# Allegro board reComputer Industrial J201_V1.2.brd (continued)
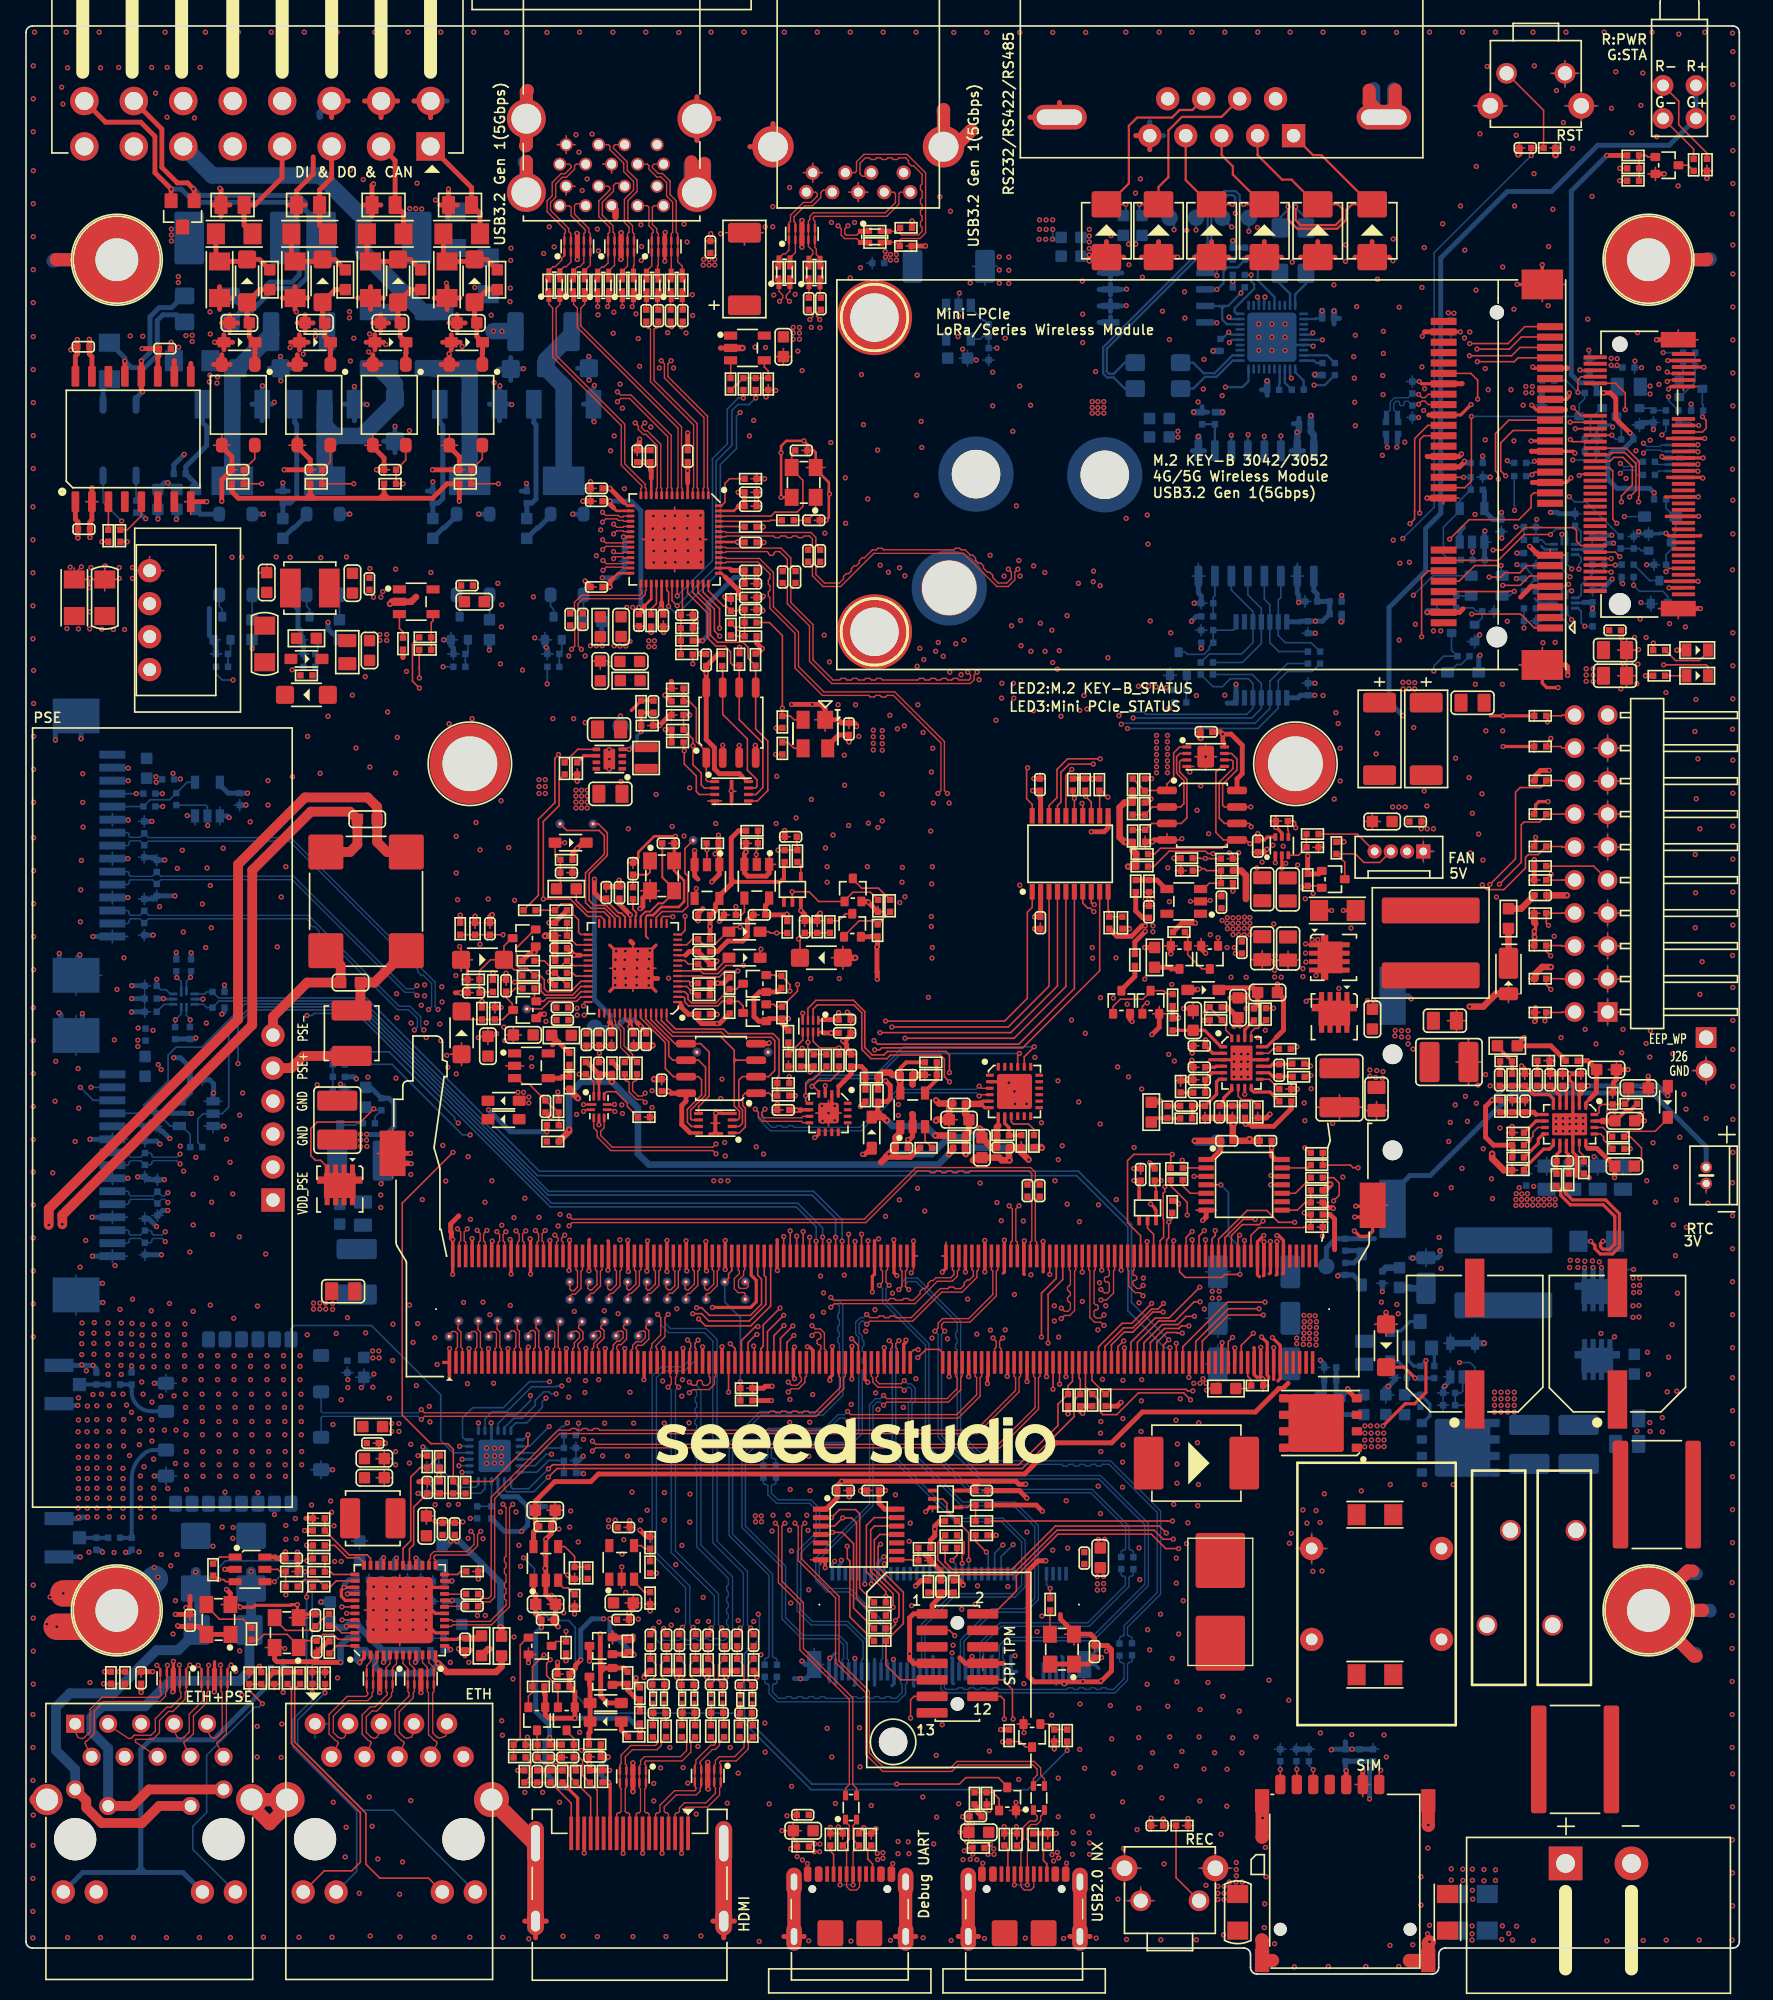
[diagram p0: board, top side]
## Routing (per net, layer and track width the routed paths; a pad name or vN(x,y) marks a point on that pad's centre or on a via; arc(x,y) is an arc through that point) (continued)
GBE_MDI1_N: length 115.2
  TOP w0.102: v1(83.05,49.94) 82.81,50.19 82.33,50.19 81.96,50.55 81.96,54.14 81.88,54.22 J9.190 ; J13.6 8.45,17.85 8.43,17.99 8.47,18.07 9.77,18.07 10.29,18.58 10.29,19.52 10.98,20.22 11.31,20.22 12.26,21.17 12.26,21.69 12.35,21.78 U61.10 U61.1 12.35,23.52 v1(12.63,23.79)
  LAY3 w0.089: v1(83.05,49.94) 82.8,50.2 82.36,50.2 82.07,49.91 82.07,31.9 77.2,27.03 77.2,23.24 76,22.04 21.97,22.04 17.76,26.26 14.38,26.26 12.98,24.86 12.98,24.68 12.77,24.47 12.59,24.47 12.37,24.25 12.37,24.05 v1(12.63,23.79)
GBE_MDI1_P: length 115.2
  TOP w0.102: v1(83.05,50.75) 82.81,50.51 82.46,50.51 82.29,50.68 82.29,51.03 82.39,51.13 82.5,51.13 82.6,51.24 82.6,51.44 82.5,51.54 82.39,51.54 82.29,51.64 82.29,54.14 82.38,54.22 J9.192 ; v1(11.81,23.79) 11.85,23.76 U61.2 U61.9 11.85,21.78 11.94,21.69 11.94,21.3 11.18,20.54 10.85,20.54 9.96,19.65 9.96,18.71 9.64,18.39 8.33,18.39 8.24,18.29 8.16,18.18 7.92,18.13 6.35,19.18 J13.3
  LAY3 w0.089: v1(83.05,50.75) 82.8,50.5 82.23,50.5 81.77,50.03 81.77,32.03 76.9,27.16 76.9,23.37 75.87,22.35 22.1,22.35 17.88,26.56 14.25,26.56 12.07,24.38 12.07,24.05 v1(11.81,23.79)
GBE_MDI2_N: length 114.4
  TOP w0.102: v1(14.08,23.77) 14.02,23.72 U60.4 U60.7 14.02,21.78 13.94,21.69 13.94,20.91 12.9,19.88 12.9,18.51 12.61,18.22 12.38,17.99 12.21,17.9 12.16,17.76 J13.8 ; v1(82.82,52.71) 83.09,52.44 83.34,52.44 83.46,52.57 83.46,53.19 83.36,53.29 83.19,53.29 83.09,53.39 83.09,53.59 83.19,53.69 83.36,53.69 83.46,53.79 83.46,54.14 83.38,54.22 J9.196
  LAY3 w0.089: v1(82.82,52.71) 83.23,52.71 83.93,52.01 83.93,28.37 76.56,21 74.25,21 72.72,19.48 71.15,19.48 69.63,21 21.3,21 16.98,25.32 14.94,25.32 14.43,24.81 14.43,24.63 14.22,24.42 14.04,24.42 13.82,24.2 13.82,24.02 v1(14.08,23.77)
GBE_MDI2_P: length 114.5
  TOP w0.102: J9.198 83.88,54.22 83.79,54.14 83.79,52.43 83.25,51.9 v1(82.82,51.9) ; v1(13.26,23.77) 13.52,23.51 U60.5 U60.6 13.52,21.78 13.61,21.69 13.61,21.04 12.58,20.01 12.58,18.64 12.19,18.26 11.93,18.13 11.67,18.21 11.3,18.95 J13.7
  LAY3 w0.089: v1(82.82,51.9) 83.07,52.15 83.35,52.15 83.62,51.89 83.62,49.96 83.49,49.83 83.49,49.52 83.62,49.4 83.62,49.09 83.49,48.97 83.49,48.66 83.62,48.53 83.62,48.23 83.49,48.1 83.49,47.8 83.62,47.67 83.62,32.08 83.49,31.95 83.49,31.64 83.62,31.52 83.62,31.21 83.49,31.08 83.49,30.78 83.62,30.65 83.62,30.22 83.49,30.09 83.49,29.79 83.62,29.66 83.62,29.36 83.49,29.23 83.49,28.93 83.62,28.8 83.62,28.49 76.43,21.31 74.12,21.31 72.6,19.78 71.28,19.78 69.75,21.31 21.43,21.31 17.11,25.62 14.81,25.62 13.52,24.33 13.52,24.02 v1(13.26,23.77)
GBE_MDI3_N: length 113.4
  TOP w0.102: v1(15.8,23.79) 15.52,23.52 U60.1 U60.10 15.52,21.78 15.44,21.69 15.44,18.5 14.92,17.99 14.75,17.9 14.7,17.76 J13.10 ; v1(86.06,52.22) 85.83,52.46 85.46,52.46 84.96,52.96 84.96,54.14 84.88,54.22 J9.202
  LAY3 w0.089: v1(86.06,52.22) 85.82,52.47 85.58,52.47 85.36,52.26 85.36,51.51 85.49,51.38 85.49,51.07 85.36,50.95 85.36,28.28 77.07,19.98 74.96,19.98 73.44,18.47 70.23,18.47 68.53,20.16 20.2,20.16 16.83,23.53 16.65,23.53 16.43,23.75 16.43,23.93 16.06,24.3 15.68,24.3 15.55,24.17 15.55,24.05 v1(15.8,23.79)
GBE_MDI3_P: length 113.2
  TOP w0.102: v1(86.06,53.02) 85.83,52.79 85.59,52.79 85.29,53.09 85.29,53.34 85.36,53.41 85.47,53.41 85.58,53.51 85.58,53.69 85.47,53.79 85.35,53.79 85.29,53.85 85.29,54.14 85.38,54.22 J9.204 ; J13.9 13.86,19 14.23,18.25 14.52,18.15 14.73,18.26 15.11,18.64 15.11,21.69 15.02,21.78 U60.9 U60.2 15.02,23.76 v1(14.99,23.79)
  LAY3 w0.089: v1(86.06,53.02) 85.82,52.78 85.45,52.78 85.06,52.38 85.06,28.41 76.94,20.29 74.83,20.29 73.31,18.77 70.36,18.77 68.66,20.47 20.32,20.47 16.18,24.61 15.55,24.61 15.24,24.3 15.24,24.05 v1(14.99,23.79)
GND_RS232/422/485: length 72.2
  TOP w0.381: D4.1 83.24,133.4 ; D4.1 81.92,132.2 ; D4.1 84.56,132.2 ; D8.1 100.84,132.2 ; D8.1 98.2,132.2 ; D8.1 99.52,133.4 ; 85.93,132.2 D5.1 ; D5.1 88.57,132.2 ; D5.1 87.25,133.4 ; 94.08,132.2 D7.1 ; D7.1 96.73,132.2 ; D7.1 95.41,133.4 ; 86.58,140.48 J1.5 85.5,141.55 ; D6.1 92.66,132.2 ; D6.1 90.02,132.2 ; D6.1 91.34,133.4 ; D9.1 103.71,133.4 ; D9.1 105.03,132.2 ; D9.1 102.39,132.2
  GND02 w0.381: 86.58,140.48 J1.5 ; J1.5 86.58,142.63 ; J1.5 85.5,141.55 ; J1.5 87.66,141.55
  LAY3 w0.381: 85.5,141.55 J1.5 ; J1.5 86.58,142.63 ; J1.5 87.66,141.55 ; J1.5 86.58,140.48
  LAY4 w0.381: J1.5 87.66,141.55 ; J1.5 86.58,140.48 ; J1.5 86.58,142.63 ; J1.5 85.5,141.55
  PWR05 w0.381: J1.5 86.58,142.63 ; J1.5 86.58,140.48 ; J1.5 85.5,141.55 ; J1.5 87.66,141.55
  BOTTOM w0.127: v1(81.92,133.37) 81.87,133.42 81.28,133.42 ; 81.28,131.97 81.85,131.97 v1(81.92,131.9)
  BOTTOM w0.178: v1(95.99,126.04) 96.59,125.44 U42.7 99.07,125.44 v1(99.17,125.34)
  BOTTOM w0.381: 90.8,117.29 U44.9 89.85,117.29 ; SW3.7 84.43,129.71 ; SW3.7 83.55,129.28 ; SW3.7 83.55,130.14 ; SW3.7 82.67,129.71 ; 101.21,127.48 C205.1 100.78,127.05 ; 91.04,120.26 R300.2 90.61,120.69 ; SW3.8 84.43,130.98 ; SW3.8 82.67,130.98 ; SW3.8 83.55,130.55 ; SW3.8 83.55,131.41 ; 95.62,121.56 C213.1 95.19,121.99 ; 98.07,119.8 C215.2 97.64,119.37 ; 82.67,128.44 SW3.6 ; SW3.6 84.43,128.44 ; SW3.6 83.55,128.87 ; SW3.6 83.55,128.01 ; J1.5 87.66,141.55 ; J1.5 85.5,141.55 ; J1.5 86.58,140.48 ; J1.5 86.58,142.63 ; 98.42,117.29 U44.15 97.47,117.29 ; 83.55,126.74 SW3.5 ; SW3.5 82.67,127.17 ; SW3.5 83.55,127.6
  BOTTOM w0.508: R300.2 v1(89.97,120.26) ; C215.2 98.07,118.84 v1(97.95,118.71) U44.15 ; C210.1 99.33,123.12 v1(99.29,123.16) ; C205.1 v1(100.78,128.05) ; U44.9 v1(90.33,118.38) ; C213.1 v1(95.62,122.66)
  vias: v1(81.39,130.35) v1(81.41,127.81) v1(81.41,125.62) v1(81.92,134.34) v1(81.92,133.83) v1(81.92,132.86) v1(81.92,132.38) v1(82.4,123.39) v1(83.6,133.85) v1(84.79,129.74) v1(84.76,128.47) v1(84.97,131.62) v1(85.47,137.13) v1(85.86,138.22) v1(86.01,130.65) v1(87.48,134.08) v1(87.56,128.04) v1(88.09,125.85) v1(88.73,132.2) v1(89.26,129.53) v1(89.28,127.5) v1(89.44,134.26) v1(90.3,121.05) v1(90.71,122.04) v1(90.76,124.33) v1(92.16,121.53) v1(93.17,135.58) v1(94.87,134.49) v1(94.97,127.05) v1(94.97,126.04) v1(94.97,125.02) v1(95.99,127.05) v1(95.99,125.02) v1(97,127.05) v1(97,126.04) v1(97,125.02) v1(97.55,131.82) v1(100.77,130.07) v1(101.68,133.14) v1(101.65,131.87) v1(102.29,124.53) v1(102.34,122.88) v1(102.37,121.03) v1(102.42,126.18) v1(102.42,119.22) v1(102.52,128.39) v1(104.12,130.5) v1(105.31,131.92) v1(105.34,133.6)
GPIO0: length 5
  TOP w0.127: U38.38 23.91,30.27 23.47,29.83 R235.1 22.51,30.35 21.45,30.35 R234.1
GPIO1: length 3.4
  TOP w0.127: R223.1 23.02,31.55 23.03,31.55 R232.1 23.47,30.97 23.67,30.77 U38.37
GPIO2: length 3.8
  TOP w0.127: U38.36 26.05,31.67 25.67,32.05 24.74,32.05 23.79,33 R221.1
GREEN_LED: length 23.1
  TOP w0.127: R252.2 D98.2 v1(5.97,22.35)
  LAY3 w0.127: J13.16 8.92,9.82 8.92,17.39 9.96,18.44 9.96,21.51 9.11,22.35 v1(5.97,22.35)
HDMI_CEC: length 47.2
  TOP w0.254: J9.94 55.88,53.8 56.26,53.41 56.26,51.76 55.83,51.33 v1(52.89,51.33)
  TOP w0.381: 44.28,23.26 44.28,21.41 44.81,20.87 D47.1 ; 44.28,23.26 44.56,23.54 44.56,23.56 ; 44.28,23.26 44.28,23.57 ; 44.28,23.85 44.25,23.87 v1(44.25,26.18) ; 44.28,23.85 44.56,23.56 ; 44.28,23.85 44.28,23.57 ; R254.2 46.05,23.56 Q20.2 44.56,23.56 ; 44.56,23.56 44.28,23.56 44.28,23.57
  LAY3 w0.381: v1(52.89,51.33) 52.89,31.97 47.58,26.66 44.73,26.66 v1(44.25,26.18)
HDMI_CEC_CON: length 8.4
  TOP w0.254: J16.13 45.01,14.63 v1(44.89,14.75)
  TOP w0.381: L23.2 44.29,17.68 C193.1 44.3,16.71 v1(44.86,16.71) ; D52.2 v1(44.89,14.75)
  BOTTOM w0.381: v1(44.89,14.75) 44.33,15.31 44.33,16.17 v1(44.86,16.71)
HDMI_CEC_Q: length 5.3
  TOP w0.381: Q20.3 43.41,22.26 43.46,22.21 D47.2 D48.2 43.46,18.64 43.36,18.54 L23.1
HDMI_DDC_SCL: length 46.4
  TOP w0.127: v1(40.39,24.2) 40.11,23.92 40.11,22.98 R256.2 40.95,21.7 40.99,21.66 Q22.2 ; J9.100 57.38,51.45 55.83,49.91 52.35,49.91 v1(51.82,50.44)
  LAY3 w0.127: v1(51.82,50.44) 50.96,49.58 49.66,49.58 48.62,48.53 48.62,40.29 44.02,35.69 44.02,27.3 41.71,24.99 41.18,24.99 v1(40.39,24.2)
HDMI_DDC_SCL_5V0: length 9.2
  TOP w0.127: J16.15 44.01,14.17 D53.2 42.88,15.3 42.88,16.44 42.64,16.68 C195.1 42.2,17.22 42.2,17.22 R269.2 42.2,18.15 41.65,18.7 Q22.3
HDMI_DDC_SDA: length 46.9
  TOP w0.127: Q21.2 38.71,21.39 39,21.69 39.02,21.69 R255.2 39.02,23.67 v1(39.91,24.56) ; v1(51.36,50.85) 52.05,50.85 52.61,50.29 55.73,50.29 57,51.56 57,53.67 56.88,53.79 J9.98
  LAY3 w0.127: v1(51.36,50.85) 50.4,49.88 49.48,49.88 48.34,48.74 48.34,40.41 43.74,35.81 43.74,27.38 41.61,25.24 40.59,25.24 v1(39.91,24.56)
HDMI_DDC_SDA_5V0: length 10.6
  TOP w0.127: Q21.3 39.37,18.14 39.42,18.1 R268.2 C194.1 39.89,16.2 41.58,16.2 41.84,15.95 41.84,15.27 D51.2 43.51,13.6 J16.16
HDMI_HPD: length 41.6
  TOP w0.127: v1(51.67,51.3) 52.06,51.3 52.65,50.72 55.81,50.72 56.67,51.58 56.67,53.51 56.38,53.81 J9.96 ; Q18.3 40.83,25.6 R242.2 v1(41.61,26.39)
  LAY3 w0.127: v1(51.67,51.3) 51.13,51.3 49.97,50.13 49.28,50.13 48.04,48.89 48.04,40.53 43.44,35.94 43.44,27.71 42.12,26.39 v1(41.61,26.39)
HDMI_HPD_CON: length 8.9
  TOP w0.127: J16.19 42.01,13.16 C197.1 C196.1 D49.2 38.77,15.12 38.78,15.12 38.89,15.23 38.89,16.28 R259.2
HDMI_TX0_N: length 28.1
  TOP w0.102: J9.75 51.13,48.16 51.21,48.25 51.21,48.57 v1(50.97,48.81) ; C172.1 50.34,26.59 50.44,26.69 v1(50.58,26.69)
  BOTTOM w0.102: v1(50.97,48.81) 51.21,48.57 51.21,47.37 50.59,46.75 48.94,46.75 48.24,46.05 48.24,32.32 50.82,29.74 50.82,26.94 v1(50.58,26.69)
HDMI_TX0_P: length 28.1
  TOP w0.102: v1(51.39,26.69) 51.49,26.69 51.59,26.59 C173.1 ; J9.77 51.63,48.16 51.54,48.25 51.54,48.57 v1(51.78,48.81)
  BOTTOM w0.102: v1(51.39,26.69) 51.14,26.94 51.14,29.88 48.57,32.45 48.57,45.92 49.08,46.43 50.73,46.43 51.54,47.24 51.54,48.57 v1(51.78,48.81)
HDMI_TX1_N: length 22.8
  TOP w0.102: C174.1 52.67,26.17 52.79,26.28 v1(52.79,26.64) ; J9.69 49.62,46.02 49.71,45.94 49.71,45.44 v1(49.47,45.19)
  BOTTOM w0.102: v1(52.79,26.64) 53.03,26.88 53.03,29.13 49.71,32.45 49.71,44.95 v1(49.47,45.19)
HDMI_TX1_P: length 22.8
  TOP w0.102: v1(53.6,26.64) 53.6,26.3 53.74,26.17 C175.1 ; J9.71 50.13,46.02 50.04,45.94 50.04,45.44 v1(50.28,45.19)
  BOTTOM w0.102: v1(53.6,26.64) 53.35,26.88 53.35,29.27 50.04,32.58 50.04,44.95 v1(50.28,45.19)
HDMI_TX2_N: length 33.4
  TOP w0.102: v1(48.66,50.79) 48.9,50.55 48.9,49.22 48.21,48.52 48.21,48.25 48.13,48.16 J9.63 ; C176.1 54.9,26.17 55.02,26.28 v1(55.02,26.64)
  BOTTOM w0.102: v1(48.66,50.79) 48.9,50.55 48.9,50 49.53,49.38 52.27,49.38 52.92,48.73 52.92,33.21 55.26,30.86 55.26,26.88 v1(55.02,26.64)
HDMI_TX2_P: length 33.3
  TOP w0.102: J9.65 48.62,48.16 48.54,48.25 48.54,48.39 49.23,49.08 49.23,50.55 v1(49.47,50.79) ; C177.1 55.97,26.17 55.83,26.3 v1(55.83,26.64)
  BOTTOM w0.102: v1(55.83,26.64) 55.59,26.88 55.59,31 53.24,33.34 53.24,48.86 52.4,49.7 49.66,49.7 49.23,50.13 49.23,50.55 v1(49.47,50.79)
HDMI_TXC_CON_LC_N: length 4.1
  TOP w0.102: L16.1 48.32,21.8 48.25,21.86 C185.2 48.25,22.71 48.55,23.01 48.55,23.82 R244.2 C170.2
HDMI_TXC_CON_LC_P: length 4.1
  TOP w0.102: L17.1 49.15,21.83 49.18,21.86 C185.1 49.18,22.71 48.88,23.01 48.88,23.82 49.33,24.27 R245.2 C171.2
HDMI_TXC_CON_N: length 10.1
  TOP w0.102: J16.12 45.51,12.31 45.61,12.41 45.74,12.41 45.84,12.51 45.84,14.28 45.76,14.36 U40.6 U40.5 45.76,16.1 45.85,16.19 45.85,16.86 46.58,17.6 48.49,17.6 48.62,17.72 48.62,17.91 R260.2
HDMI_TXC_CON_P: length 10.1
  TOP w0.102: R261.2 48.94,17.87 48.94,17.59 48.63,17.27 46.72,17.27 46.17,16.73 46.17,16.18 46.26,16.1 U40.4 U40.7 46.26,14.37 46.17,14.28 46.17,12.51 46.27,12.41 46.41,12.41 46.51,12.31 J16.10
HDMI_TXC_CON_R_N: length 1.8
  TOP w0.102: L16.2 48.32,20.54 48.33,20.53 C191.2 48.33,19.63 48.29,19.59 R260.1
HDMI_TXC_CON_R_P: length 1.8
  TOP w0.102: L17.2 49.15,20.2 C191.1 49.26,19.64 49.31,19.59 R261.1
HDMI_TXC_N: length 32.9
  TOP w0.102: C170.1 48.22,26.17 48.34,26.28 v1(48.34,26.61) ; v1(51.11,45.57) 51.36,45.33 51.6,45.33 51.7,45.43 51.7,45.61 51.8,45.71 52.01,45.71 52.11,45.61 52.11,45.43 52.21,45.33 52.5,45.33 52.71,45.54 52.71,45.94 52.63,46.02 J9.81
  BOTTOM w0.102: v1(48.34,26.61) 48.57,26.38 48.57,25.76 48.96,25.37 53.94,25.37 54.43,25.87 54.43,30.6 52,33.03 52,44.98 51.65,45.33 51.36,45.33 v1(51.11,45.57)
HDMI_TXC_P: length 32.9
  TOP w0.102: v1(51.11,44.76) 51.36,45 52.63,45 53.04,45.41 53.04,45.94 53.13,46.02 J9.83 ; C171.1 49.27,26.17 49.13,26.3 v1(49.13,26.61)
  BOTTOM w0.102: v1(51.11,44.76) 51.36,45 51.51,45 51.67,44.84 51.67,44.52 51.55,44.39 51.55,44.09 51.67,43.96 51.67,43.65 51.55,43.53 51.55,43.22 51.67,43.1 51.67,42.79 51.55,42.66 51.55,42.36 51.67,42.23 51.67,41.93 51.55,41.8 51.55,41.5 51.67,41.37 51.67,41.06 51.55,40.94 51.55,40.63 51.67,40.51 51.67,40.2 51.55,40.07 51.55,39.77 51.67,39.64 51.67,39.34 51.55,39.21 51.55,38.91 51.67,38.78 51.67,32.9 54.11,30.47 54.11,29.97 53.98,29.84 53.98,29.54 54.11,29.41 54.11,29.1 53.98,28.98 53.98,28.67 54.11,28.54 54.11,28.24 53.98,28.11 53.98,27.81 54.11,27.68 54.11,27.38 53.98,27.25 53.98,26.94 54.11,26.82 54.11,26 53.8,25.7 53.5,25.7 53.37,25.83 53.06,25.83 52.94,25.7 52.63,25.7 52.51,25.83 52.2,25.83 52.07,25.7 51.77,25.7 51.64,25.83 51.34,25.83 51.21,25.7 50.91,25.7 50.78,25.83 50.47,25.83 50.35,25.7 49.09,25.7 48.9,25.89 48.9,26.38 v1(49.13,26.61)
HDMI_TXD0_CON_LC_N: length 4.1
  TOP w0.102: L18.1 50.55,21.79 50.51,21.84 C187.2 50.51,22.7 50.81,23 50.81,23.82 50.36,24.27 R246.2 C172.2
HDMI_TXD0_CON_LC_P: length 4.1
  TOP w0.102: C173.2 R247.2 51.58,24.27 51.13,23.82 51.13,23 51.43,22.7 C187.1 51.49,22.21 L19.1
HDMI_TXD0_CON_N: length 10.9
  TOP w0.102: R262.2 50.9,17.87 50.9,17.21 50.42,16.73 47.64,16.73 47.35,16.44 47.35,16.12 47.26,16.04 U40.2 U40.9 47.26,14.36 47.34,14.27 47.34,12.51 47.24,12.41 47.11,12.41 47.01,12.31 J16.9
HDMI_TXD0_CON_P: length 10.9
  TOP w0.102: R263.2 51.22,17.91 51.22,17.08 50.56,16.41 47.77,16.41 47.67,16.31 47.67,16.14 47.76,16.05 U40.1 U40.10 47.76,14.35 47.67,14.26 47.67,12.51 47.77,12.41 47.91,12.41 48.01,12.31 J16.7
HDMI_TXD0_CON_R_N: length 1.8
  TOP w0.102: L18.2 50.55,20.59 50.58,20.56 C190.2 50.58,19.68 50.53,19.63 R262.1
HDMI_TXD0_CON_R_P: length 1.8
  TOP w0.102: L19.2 51.49,20.59 51.51,20.58 C190.1 51.51,19.68 51.54,19.64 R263.1
HDMI_TXD1_CON_LC_N: length 4.1
  TOP w0.102: C174.2 R248.2 53.02,23.8 53.02,22.57 C186.2 52.73,21.84 52.79,21.79 L20.1
HDMI_TXD1_CON_LC_P: length 4.1
  TOP w0.102: L15.1 53.66,21.79 53.65,21.8 C186.1 53.34,22.59 53.34,23.79 R249.2 C175.2
HDMI_TXD1_CON_N: length 10.6
  TOP w0.102: J16.6 48.51,12.31 48.61,12.41 48.74,12.41 48.84,12.51 48.84,13 49.96,14.11 51.51,14.11 51.61,14.21 51.61,14.35 51.53,14.44 U39.6 U39.5 51.53,16.1 51.61,16.19 51.61,16.48 52.75,17.62 52.98,17.62 53.11,17.75 53.11,17.89 R264.2
HDMI_TXD1_CON_P: length 10.6
  TOP w0.102: R265.2 53.78,18.21 53.43,17.87 53.43,17.61 53.12,17.29 52.89,17.29 51.94,16.34 51.94,16.18 52.03,16.1 U39.4 U39.7 52.03,14.42 51.94,14.34 51.94,14.08 51.65,13.79 50.09,13.79 49.17,12.86 49.17,12.51 49.27,12.41 49.41,12.41 49.51,12.31 J16.4
HDMI_TXD1_CON_R_N: length 1.8
  TOP w0.102: R264.1 52.76,19.59 52.79,19.62 C189.2 52.79,20.54 52.79,20.55 L20.2
HDMI_TXD1_CON_R_P: length 1.8
  TOP w0.102: R265.1 53.78,19.59 53.72,19.65 C189.1 53.72,20.54 53.66,20.6 L15.2
HDMI_TXD2_CON_LC_N: length 4.2
  TOP w0.102: C176.2 R250.2 55.3,23.75 55.3,22.94 55.3,22.52 C188.2 55.03,21.74 55.02,21.74 L22.1
HDMI_TXD2_CON_LC_P: length 4.1
  TOP w0.102: C188.1 55.95,21.77 55.96,21.76 L21.1 ; C188.1 55.63,22.57 55.63,23.05 55.63,23.05 55.63,23.84 R251.2 C177.2 ; C188.1 55.93,22.25
HDMI_TXD2_CON_N: length 11.6
  TOP w0.102: J16.3 50.01,12.31 50.11,12.41 50.24,12.41 50.34,12.51 50.34,12.79 50.73,13.18 52.38,13.18 53.12,13.91 53.12,14.35 53.03,14.44 U39.9 U39.2 53.03,16.09 53.11,16.17 53.11,16.44 53.41,16.73 54.59,16.73 55.32,17.46 55.32,17.89 R266.2
HDMI_TXD2_CON_P: length 11.6
  TOP w0.102: J16.1 51.01,12.31 50.91,12.41 50.77,12.41 50.67,12.51 50.67,12.66 50.86,12.85 52.51,12.85 53.44,13.78 53.44,14.34 53.53,14.43 U39.10 U39.1 53.53,16.12 53.44,16.21 53.44,16.31 53.54,16.41 54.73,16.41 55.64,17.33 55.64,17.89 R267.2
HDMI_TXD2_CON_R_N: length 1.7
  TOP w0.102: R266.1 54.97,19.59 55,19.62 C192.2 55,20.52 55.02,20.53 L22.2
HDMI_TXD2_CON_R_P: length 1.8
  TOP w0.102: R267.1 55.99,19.59 55.93,19.65 C192.1 55.93,20.52 55.96,20.55 L21.2
HST_WAKE_BT: length 20.8
  BOTTOM w0.127: U51.4 32.91,40.14 31.96,41.09 31.96,44.6 26.62,49.93 20.66,49.93 20.41,49.68 U50.10
HST_WAKE_WL: length 21.2
  LAY4 w0.127: v1(15.33,37.1) 15.82,36.62 20.35,36.62 21.29,37.57 29.5,37.57 29.66,37.73 31.35,39.42 33.08,39.42 v1(33.36,39.14)
  BOTTOM w0.127: U50.19 v1(15.33,37.1) ; U51.2 v1(33.36,39.14)
HUB_HSD1_N: length 23.2
  TOP w0.107: U8.2 52.17,114.38 52.24,114.45 52.24,119.85 49.19,122.9 49.19,123.98 v1(48.94,124.23) ; R29.1 44.94,129.14 L6.4 44.89,128.48 v1(44.8,128.39)
  LAY3 w0.084: v1(48.94,124.23) 49.2,124.49 49.2,124.81 48.99,125.02 48.81,125.02 48.59,125.24 48.59,125.42 47.93,126.08 47.93,126.59 47.81,126.72 47.81,127.02 47.93,127.15 47.93,127.48 47.81,127.6 47.81,127.91 47.93,128.04 47.93,128.44 47.63,128.75 47.45,128.75 47.23,128.96 47.23,129.14 47.02,129.36 46.54,129.36 46.41,129.23 46.1,129.23 45.98,129.36 45.65,129.36 45.52,129.23 45.22,129.23 45.09,129.36 44.78,129.36 44.54,129.11 44.54,128.65 v1(44.8,128.39)
HUB_HSD1_P: length 23.3
  TOP w0.107: v1(44.04,128.39) L6.1 44,129.14 R36.1 ; v1(49.7,124.23) 49.46,123.98 49.46,123.01 52.51,119.96 52.51,114.45 52.57,114.38 U8.1
  LAY3 w0.084: v1(44.04,128.39) 44.3,128.65 44.3,129.21 44.69,129.59 47.11,129.59 48.17,128.54 48.17,126.17 49.44,124.9 49.44,124.49 v1(49.7,124.23)
HUB_HSD2_N: length 19
  TOP w0.107: U8.9 49.37,114.38 49.44,114.45 49.44,118.38 46.5,121.32 45.81,121.32 v1(45.57,121.07) ; R30.1 46.84,129.14 L7.4 46.8,128.48 v1(46.71,128.39)
  LAY3 w0.084: v1(46.71,128.39) 46.45,128.13 46.45,121.62 46.16,121.33 45.83,121.33 v1(45.57,121.07)
HUB_HSD2_P: length 19
  TOP w0.107: v1(45.95,128.39) L7.1 45.9,129.14 R37.1 ; U8.8 49.77,114.38 49.71,114.45 49.71,118.49 46.61,121.58 45.81,121.58 v1(45.57,121.83)
  LAY3 w0.084: v1(45.57,121.83) 45.83,121.57 46.06,121.57 46.21,121.71 46.21,128.13 v1(45.95,128.39)
HUB_HSD3_N: length 38.1
  TOP w0.107: v1(44.42,111.8) 44.66,112.04 45.51,112.04 45.63,111.93 45.99,111.93 46.05,111.86 U8.18 ; R10.1 64.51,134.23 L1.1 64.29,134.19 64,133.9 63.19,133.9 63.08,134 63.08,134.37 v1(63.32,134.61)
  LAY3 w0.084: v1(44.42,111.8) 44.68,112.06 45.32,112.06 52.51,119.25 52.51,124.46 55.15,127.1 58.61,127.1 63.06,131.55 63.06,134.35 v1(63.32,134.61)
HUB_HSD3_P: length 38.2
  TOP w0.107: v1(62.57,134.61) 62.81,134.37 62.81,133.89 63.07,133.63 64.01,133.63 64.3,133.34 L1.4 64.51,133.29 R15.1 ; v1(44.42,112.56) 44.66,112.31 45.62,112.31 45.74,112.2 45.99,112.2 46.05,112.26 U8.17
  LAY3 w0.084: v1(62.57,134.61) 62.83,134.35 62.83,131.65 58.51,127.33 55.05,127.33 52.28,124.56 52.28,119.35 45.22,112.3 44.68,112.3 v1(44.42,112.56)
HUB_HSD4_N: length 72.3
  TOP w0.107: v1(45.27,108.99) 45.41,109.13 45.99,109.13 46.05,109.06 U8.25
  LAY3 w0.084: v1(45.27,108.99) 45.42,109.13 45.72,109.13 46.94,107.92 61.07,107.92 65.18,112.03 83.18,112.03 86.88,108.34 99.57,108.34 105.36,114.14 105.36,117.31 v1(105.61,117.56)
  BOTTOM w0.107: R302.2 105.71,118.2 L29.3 105.67,117.62 v1(105.61,117.56)
HUB_HSD4_P: length 72.2
  TOP w0.107: U8.24 46.05,109.46 45.99,109.4 45.39,109.4 v1(45.27,109.52)
  LAY3 w0.084: v1(104.88,117.56) 105.13,117.32 105.13,114.24 101.3,110.41 101.12,110.41 100.91,110.2 100.91,110.02 100.69,109.8 100.51,109.8 100.3,109.59 100.3,109.41 100.08,109.19 99.9,109.19 99.69,108.97 99.69,108.8 99.47,108.58 86.97,108.58 83.28,112.27 65.08,112.27 60.97,108.16 47.04,108.16 45.82,109.37 45.42,109.37 v1(45.27,109.52)
  BOTTOM w0.107: v1(104.88,117.56) 104.82,117.63 L29.2 104.77,118.19 R303.2
HUB_PRT_CTL1: length 19.1
  TOP w0.127: U8.36 v1(50.17,106.12) ; R41.1 v1(55.27,121.36)
  BOTTOM w0.127: v1(55.27,121.36) 54.88,121.36 54.03,120.51 54.03,117.83 52.89,116.68 52.89,108.83 v1(50.17,106.12)
HUB_PRT_CTL2: length 21.5
  TOP w0.127: v1(50.17,105.35) 49.77,105.75 U8.35 ; R42.1 v1(56.22,121.36)
  BOTTOM w0.127: v1(50.17,105.35) 53.17,108.35 53.17,116.48 54.39,117.7 54.39,120.39 54.84,120.85 55.71,120.85 v1(56.21,121.36)
HUB_PRT_CTL3: length 45.3
  TOP w0.127: U8.34 49.37,106.54 49.51,106.41 v1(49.51,105.3)
  LAY4 w0.127: v1(55.02,120.24) 70.36,120.24 74.8,124.68 v1(74.8,125.2)
  BOTTOM w0.127: v1(49.51,105.3) 49.97,104.85 50.3,104.85 53.5,108.05 53.5,116.23 54.74,117.47 54.74,119.96 v1(55.02,120.24) ; U41.4 73.52,125.9 73.72,126.1 R283.2 R289.1 v1(74.8,125.2)
HUB_RBIAS: length 3.7
  TOP w0.127: U8.56 53.59,113.06 53.85,113.33 53.85,114.78 54.21,115.14 R43.1
HUB_RST: length 7.1
  TOP w0.127: R55.2 54.75,103.07 54.81,103.01 R57.2 R53.2 C40.1 54.92,105.06 54.83,104.97 R285.1 53.94,105.34 53.74,105.34 52.57,106.51 U8.42
HUB_SPI_CE: length 19.6
  TOP w0.127: v1(53.43,103.63) 53.43,105.14 52.17,106.4 U8.41 ; U12.1 52.52,91.82 52.41,91.94 U11.1 52.41,94.13 51.64,94.9 51.64,97.46 51.1,98 R69.2 50.66,98.45 v1(50.68,98.47) 50.66,98.49 R396.1
  LAY3 w0.127: v1(50.68,98.47) 50.68,98.86 50.66,98.88 50.66,101.83 52.45,103.63 v1(53.43,103.63)
HUB_SPI_CLK: length 20.2
  TOP w0.127: 54.99,99.1 U11.6 ; U11.6 54.95,100.31 54.97,100.33 R60.1 54.47,100.77 54.28,100.96 54.28,101.82 53.85,102.26 53.14,102.26 52.51,102.89 52.51,104.8 50.97,106.33 U8.38 ; U11.6 54.95,96.59 56.77,94.76 56.77,91.36 56.24,90.82 U12.6
HUB_SPI_HOLD: length 11.1
  TOP w0.127: R62.2 53.64,100.27 53.68,100.24 U11.7 53.68,96.99 55.58,95.09 55.58,92.7 56.32,91.97 56.32,91.44 56.2,91.32 U12.7
HUB_SPI_MISO: length 23.4
  TOP w0.127: U11.2 v1(53.68,94.61) ; U8.40 51.77,106.37 53.04,105.1 53.04,103.42 v1(53.45,103.02) ; v1(51.13,96.95) R72.1 R395.2 51.39,95.09 v1(51.39,94.58) 51.39,93.11 52.02,92.48 52.02,91.56 52.26,91.32 U12.2
  LAY3 w0.127: v1(53.68,94.61) 53.28,94.61 53.25,94.58 v1(51.39,94.58) ; v1(51.13,96.95) 51.13,99.97 50.91,100.2 50.91,101.54 51.52,102.15 52.58,102.15 v1(53.45,103.02)
HUB_SPI_MOSI: length 21.3
  TOP w0.127: U12.5 56.35,90.32 57.15,91.13 57.15,94.94 56.22,95.88 U11.5 56.22,100.29 56.21,100.3 R61.2 55.63,101.32 55.63,102.15 55.23,102.55 53.28,102.55 52.73,103.09 52.73,105.02 51.37,106.39 U8.39
HUB_SPI_WP: length 11.1
  TOP w0.127: R75.2 50.66,94.25 v1(50.71,94.19) 50.71,93.17 51.64,92.25 51.64,91.05 51.87,90.82 U12.3 ; U11.3 v1(54.95,94.61)
  LAY3 w0.127: v1(50.71,94.19) 54.52,94.19 54.94,94.61 v1(54.95,94.61)
HUB_SSRX1_N: length 19.1
  TOP w0.107: U8.7 50.17,114.38 50.24,114.45 50.24,119.03 42.48,126.78 42.48,128.28 42.19,128.57 L5.1 42.13,129.19 R31.1
HUB_SSRX1_P: length 19.1
  TOP w0.107: R28.1 43.06,129.14 L5.4 43.04,128.57 42.75,128.28 42.75,126.9 50.51,119.14 50.51,114.45 50.57,114.38 U8.6
HUB_SSRX2_N: length 18.7
  TOP w0.107: U8.14 47.37,114.38 47.44,114.45 47.44,114.6 45.86,116.18 45.86,119.24 40.58,124.52 40.58,128.28 40.28,128.57 L4.1 40.23,129.18 R32.1
HUB_SSRX2_P: length 18.7
  TOP w0.107: R33.1 41.17,129.16 L4.4 41.13,128.57 40.84,128.28 40.84,124.64 46.13,119.35 46.13,116.29 47.71,114.71 47.71,114.45 47.77,114.38 U8.13
HUB_SSRX3_N: length 32.3
  TOP w0.107: v1(58.06,128.79) 58.3,129.04 58.3,129.27 58.01,129.56 L2.1 57.94,130.19 R18.1 ; v1(44.43,109.68) 44.67,109.93 45.99,109.93 46.05,109.86 U8.23
  LAY3 w0.084: v1(44.43,109.68) 44.17,109.94 43.85,109.94 43.46,110.34 43.46,113.78 51.35,121.68 51.35,124.98 54.61,128.24 58.17,128.24 58.32,128.39 58.32,128.53 v1(58.06,128.79)
HUB_SSRX3_P: length 32.2
  TOP w0.107: v1(58.82,128.79) 58.57,129.04 58.57,129.27 58.86,129.56 L2.4 58.88,130.13 R16.1 ; U8.22 46.05,110.26 45.99,110.2 44.67,110.2 v1(44.43,110.44)
  LAY3 w0.084: v1(44.43,110.44) 44.17,110.18 43.94,110.18 43.69,110.43 43.69,110.76 43.82,110.89 43.82,111.2 43.69,111.32 43.69,113.69 51.59,121.58 51.59,123.11 51.72,123.24 51.72,123.54 51.59,123.67 51.59,123.97 51.72,124.1 51.72,124.4 51.59,124.53 51.59,124.88 54.71,128 58.27,128 58.56,128.29 58.56,128.53 v1(58.82,128.79)
HUB_SSRX4_N: length 7.2
  TOP w0.107: C43.2 42.52,105.14 42.52,105.51 42.91,105.9 47.39,105.9 47.71,106.21 47.71,106.48 47.77,106.54 U8.30
HUB_SSRX4_P: length 7.2
  TOP w0.107: U8.29 47.37,106.54 47.44,106.48 47.44,106.33 47.28,106.17 42.8,106.17 42.25,105.62 42.25,105.09 C44.2
HUB_SSTX1_C_N: length 1.4
  TOP w0.107: R38.1 47.79,129.11 L8.1 47.8,128.18 C6.2
HUB_SSTX1_C_P: length 1.5
  TOP w0.107: R39.1 48.73,129.18 L8.4 48.65,128.27 48.72,128.21 C7.2
HUB_SSTX1_N: length 15
  TOP w0.107: U8.4 51.37,114.38 51.44,114.45 51.44,119.27 48.11,122.6 48.11,126.64 48.01,126.75 47.89,126.75 47.78,126.85 C6.1
HUB_SSTX1_P: length 15
  TOP w0.107: U8.3 51.77,114.38 51.71,114.45 51.71,119.39 48.38,122.71 48.38,126.64 48.49,126.75 48.61,126.75 48.72,126.85 C7.1
HUB_SSTX2_C_N: length 1.5
  TOP w0.107: R34.1 49.66,129.15 L9.1 49.66,129.05 C8.2
HUB_SSTX2_C_P: length 1.4
  TOP w0.107: C9.2 50.6,129.06 L9.4 50.6,129.14 R35.1
